# Altium PCB spd150.PcbDoc (part 11 of 16) (continued)
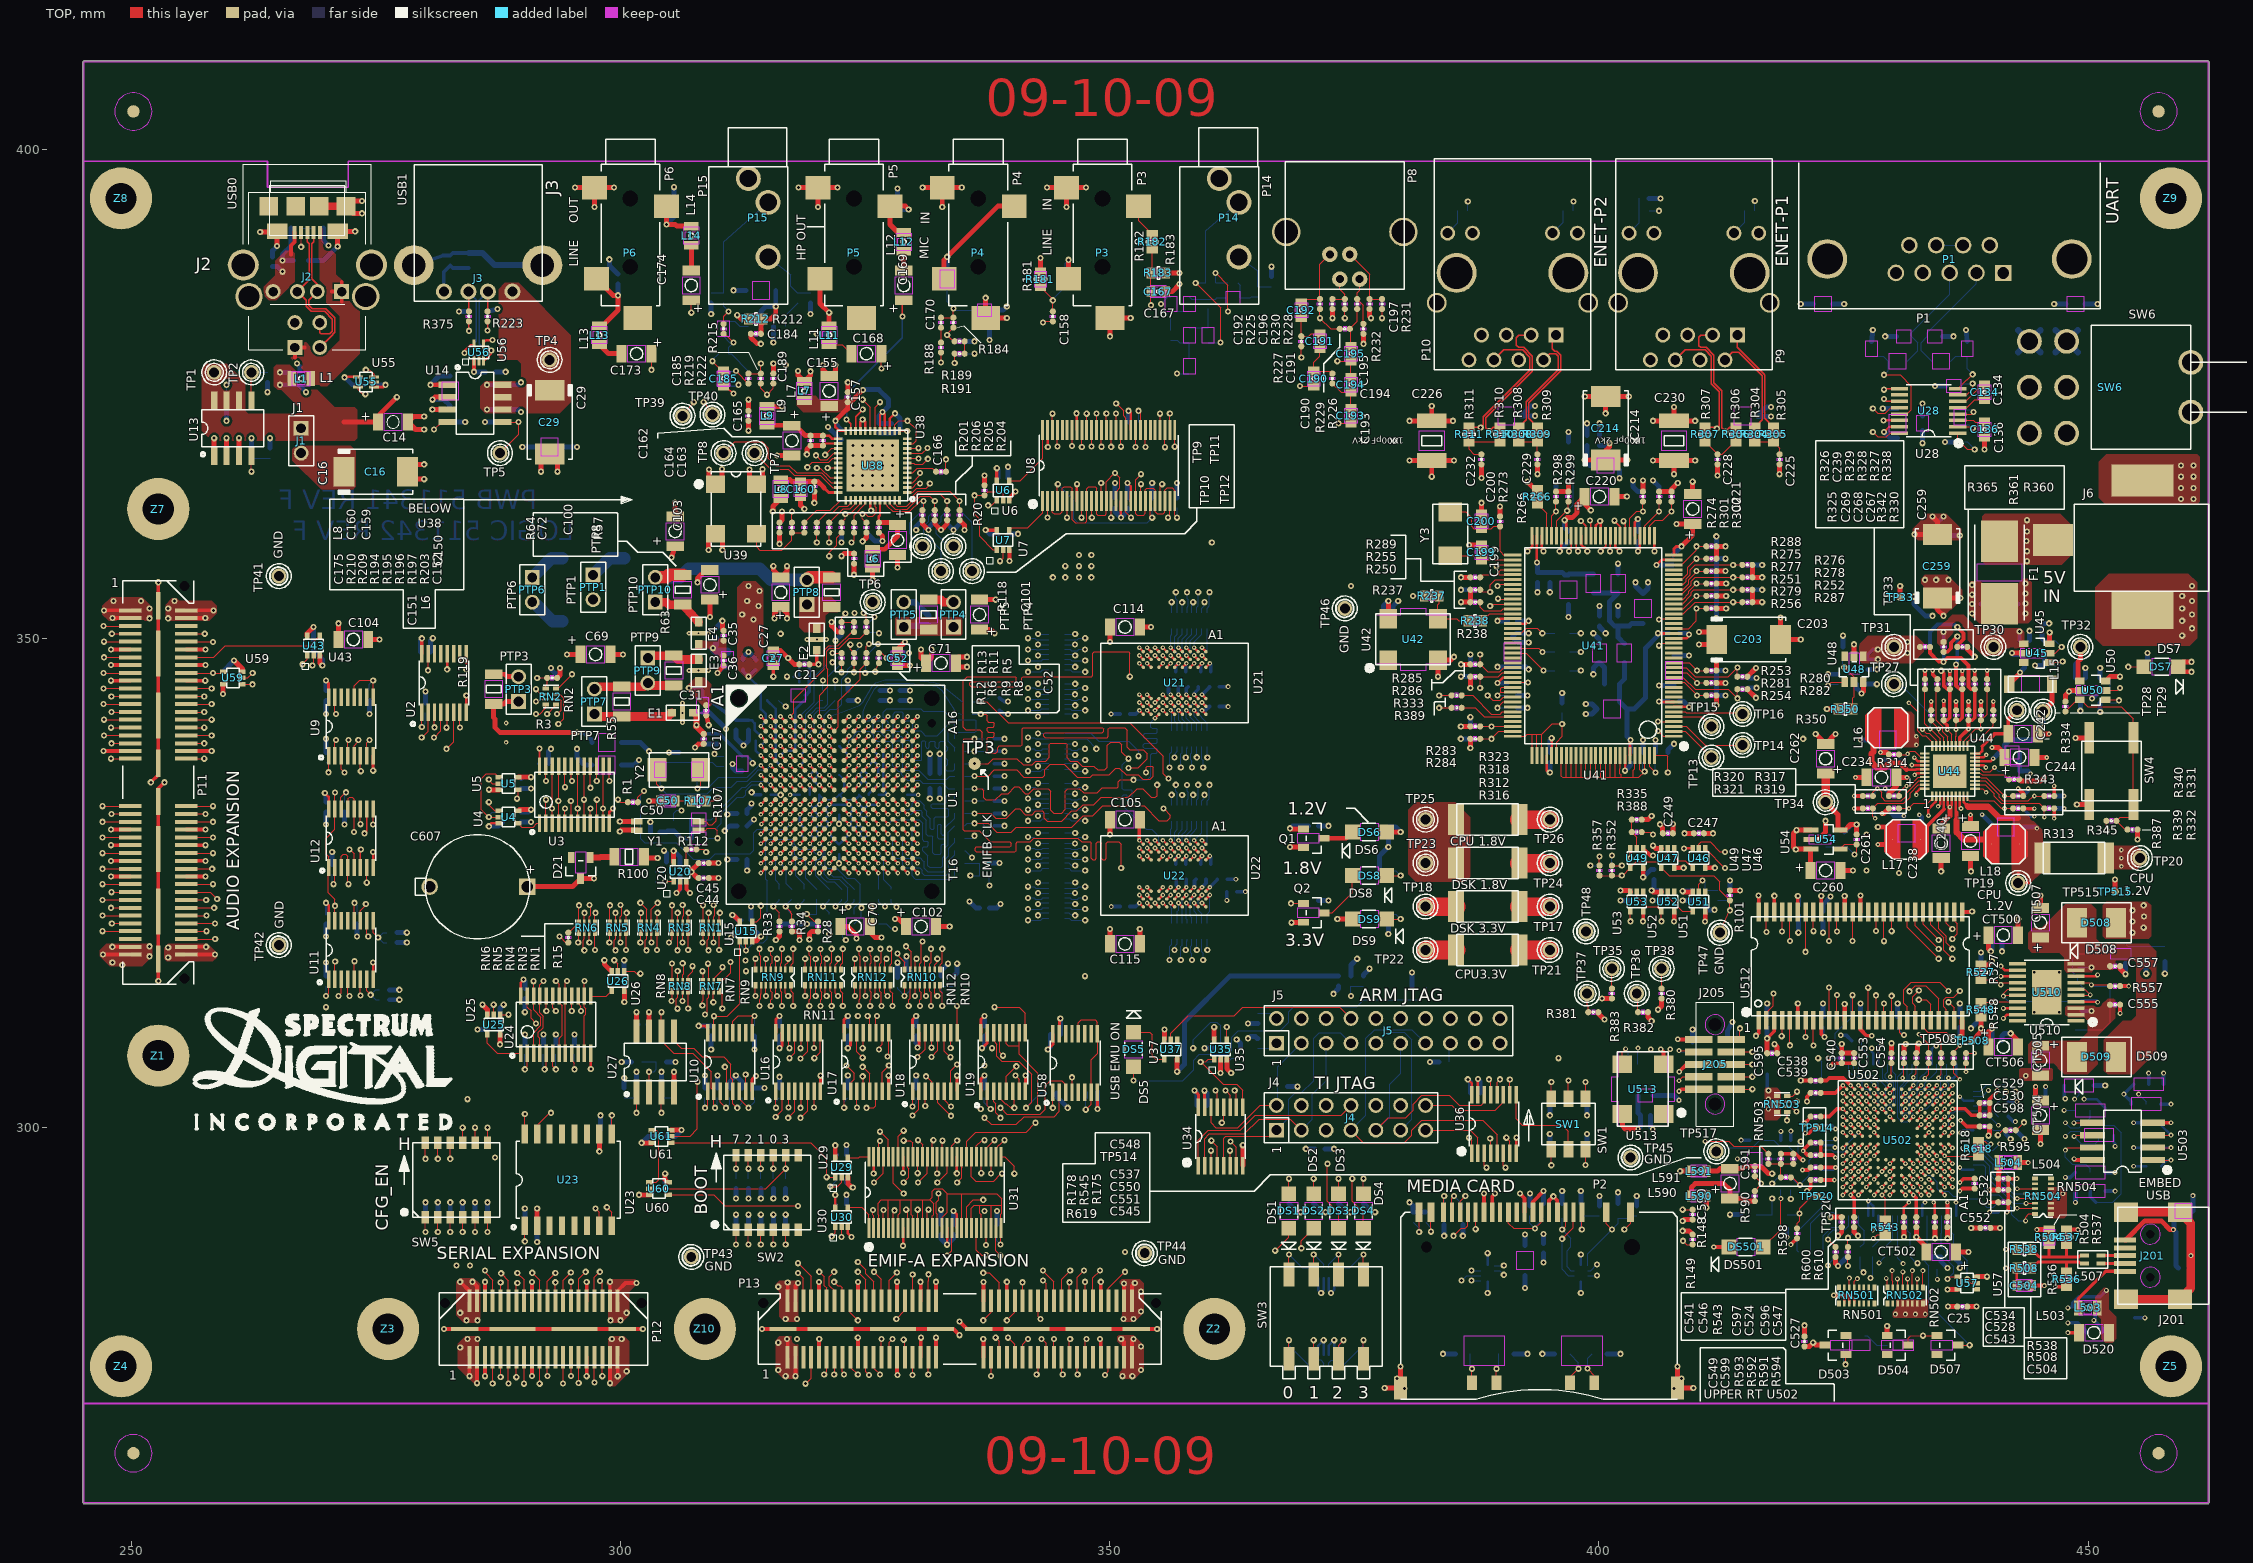
[diagram p0: TOP view]
## Nets (pads, with @x,y where several pads share a name; then routed paths per layer and width w, separated by ;. In a path a pad name is that pad's centre, name@x,y a point inside that pad or via, vN(x,y) a via of type N, cw(c..) or ccw(c..) an arc to the next point about the centre after c; other vN are vias at no path point) (continued)
  LYR3-SIG w0.102: v2(326.332,329.006) 326.939,328.399 326.939,325.501
  LYR3-SIG w0.127: v1(323.936,317.246) 323.936,317.965 323.85,318.051 323.85,318.473 324.198,318.821 324.358,318.821 324.612,319.075 324.612,319.786 326.39,321.564 326.39,323.088 326.939,323.637 326.939,325.501
N18849304: RN10.9 U1.M15 | length 17.2
  TOP w0.127: RN10.9@332.654,316.154 332.654,316.647 332.867,316.86 v1(332.867,318.262)
  TOP w0.254: U1.M15@328.833,330.507 v2(329.334,330.007)
  LYR3-SIG w0.102: v2(329.334,330.007) 329.377,330.007 329.946,329.438 330.835,329.438
  LYR3-SIG w0.127: 330.835,329.438 331.089,329.438 331.851,328.676 331.851,326.263 333.378,324.736 333.378,323.472 332.867,322.961 v1(332.867,318.262)
N18849306: RN10.10 U1.N13 | length 16.9
  TOP w0.127: RN10.10@332.08,316.154 332.08,316.611 332.359,316.89 v1(332.359,317.246)
  TOP w0.254: U1.N13@326.832,329.507 v2(327.332,329.006)
  LYR3-SIG w0.102: v2(327.332,329.006) 327.332,329.004 327.787,328.549 328.676,328.549 328.803,328.422 328.803,327.914 329.184,327.533 329.438,327.533 329.819,327.152 329.819,325.501
  LYR3-SIG w0.127: 329.819,325.501 329.565,325.247 329.565,319.575 331.386,317.754 331.851,317.754 v1(332.359,317.246)
N18849308: RN10.11 U1.N15 | length 16.3
  TOP w0.127: RN10.11@331.582,316.154 331.582,316.738 331.749,316.906 331.749,318.237 v1(331.724,318.262)
  TOP w0.254: U1.N15@328.833,329.507 v2(329.334,329.006)
  LYR3-SIG w0.102: v2(329.334,329.006) 329.362,329.006 329.819,328.549 330.835,328.549
  LYR3-SIG w0.127: 330.835,328.549 331.089,328.549 331.343,328.295 331.343,325.755 330.2,324.612 330.2,321.056 331.724,319.532 v1(331.724,318.262)
N18849310: RN10.12 U1.P13 | length 14.6
  TOP w0.127: RN10.12@331.084,316.154 331.084,316.291 331.089,316.296 331.089,317.119 331.216,317.246 v1(331.241,317.246)
  TOP w0.254: U1.P13@326.832,328.506 v2(327.332,328.005)
  LYR3-SIG w0.102: v2(327.332,328.005) 327.332,327.988 327.787,327.533 328.422,327.533 328.803,327.152 328.803,325.882 329.184,325.501
  LYR3-SIG w0.127: 329.184,325.501 329.184,319.595 331.241,317.538 v1(331.241,317.246)
N18849312: RN10.13 U1.P15 | length 14.7
  TOP w0.127: RN10.13@330.586,316.154 330.586,316.738 330.733,316.885 330.733,318.922 v1(330.835,319.024)
  TOP w0.254: U1.P15@328.833,328.506 v2(329.334,328.005)
  LYR3-SIG w0.102: v2(329.334,328.005) 329.347,328.005 329.819,327.533 330.708,327.533 330.835,327.406
  LYR3-SIG w0.127: v1(330.835,319.024) 330.835,319.786 329.946,320.675 329.946,324.866 330.962,325.882 330.962,327.279 330.835,327.406
N18849314: RN10.14 U1.R13 | length 12.8
  TOP w0.127: RN10.14@330.088,316.154 330.088,317.134 330.2,317.246 v1(330.225,317.246)
  TOP w0.254: U1.R13@326.832,327.505 v2(327.332,327.005)
  LYR3-SIG w0.102: v2(327.332,327.005) 327.914,326.423 327.914,325.857 328.27,325.501
  LYR3-SIG w0.127: 328.27,325.501 328.803,324.968 328.803,319.608 330.225,318.186 v1(330.225,317.246)
N18849316: RN10.15 U1.R15 | length 12.3
  TOP w0.127: v1(329.159,318.516) 329.717,317.957 329.717,316.281 RN10.15@329.59,316.154
  TOP w0.254: U1.R15@328.833,327.505 v2(329.334,327.005)
  LYR8-SIG w0.102: v2(329.334,327.005) 329.334,327.002 329.819,326.517 329.819,325.501
  LYR8-SIG w0.127: v1(329.159,318.516) 329.159,324.714 329.819,325.374 329.819,325.501
N18849318: RN10.16 U1.T13 | length 11.3
  TOP w0.127: v1(328.295,317.779) 328.295,317.627 329.016,316.906 RN10.16@329.016,316.154
  TOP w0.254: U1.T13@326.832,326.504 v2(327.332,326.004)
  LYR3-SIG w0.102: 327.332,325.501 v2(327.332,326.004)
  LYR3-SIG w0.127: 327.332,325.501 327.332,323.088 327.533,322.887 327.533,318.93 328.295,318.168 v1(328.295,317.779)
N18895421: P3.2 R180.1 | length 3.3
  TOP w0.508: P3.2@345.77,386.753 v1(345.77,388.696)
  BOTTOM w0.127: R180.1@345.44,387.477 345.44,388.366 v1(345.77,388.696)
N18908881: R292.1 U41.102 U41.103 U41.104 U41.105 U41.108 | length 16.7
  TOP w0.127: U41.102@391.185,339.992 392.468,339.992 392.661,340.185 393.141,340.185 ; U41.103@393.159,338.023 393.159,340.167 393.141,340.185 ; U41.104@393.659,338.023 393.659,340.169 393.675,340.185 ; U41.105@394.16,338.023 394.16,340.185 ; U41.108@395.661,338.023 395.661,339.4 396.24,339.979 v1(396.24,341.249) 395.224,341.249 394.16,340.185 ; 393.141,340.185 393.675,340.185 ; 393.675,340.185 394.16,340.185
  BOTTOM w0.127: v1(396.24,341.249) R292.1@396.24,342.392
N18910209: R293.1 U41.109 U41.110 U41.111 U41.112 U41.113 U41.114 U41.115 U41.116 U41.117 U41.118 U41.119 U41.120 U41.121 U41.124 U41.125 U41.126 | length 44.9
  TOP w0.127: U41.109@396.161,338.023 396.161,335.915 396.288,335.788 396.672,335.788 ; U41.110@396.662,338.023 396.662,335.798 396.672,335.788 ; U41.111@397.162,338.023 397.162,335.796 397.154,335.788 ; U41.112@397.662,338.023 397.662,335.788 ; U41.113@398.163,338.023 398.163,335.831 398.12,335.788 ; U41.114@398.663,338.023 398.663,335.803 398.678,335.788 ; U41.115@399.164,338.023 399.164,335.811 399.186,335.788 ; U41.116@399.666,338.023 399.666,335.791 399.669,335.788 ; U41.117@400.167,338.023 400.167,335.803 400.152,335.788 ; U41.118@400.667,338.023 400.667,335.821 400.634,335.788 ; U41.119@401.168,338.023 401.168,335.813 401.142,335.788 ; U41.120@401.668,338.023 401.668,335.806 401.65,335.788 ; U41.121@402.168,338.023 402.168,336.713 402.133,336.677 402.133,336.169 402.26,336.042 402.26,335.788 ; U41.124@403.669,338.023 403.669,336.69 403.479,336.499 403.479,335.788 ; U41.125@404.17,338.023 404.17,336.55 404.345,336.375 v1(404.67,336.375) ; U41.126@404.67,338.023 v1(404.67,336.375) ; 396.672,335.788 397.154,335.788 ; 397.154,335.788 397.662,335.788 ; 397.662,335.788 398.12,335.788 ; 398.12,335.788 398.678,335.788 ; 398.678,335.788 399.186,335.788 ; 399.186,335.788 399.669,335.788 ; 399.669,335.788 400.152,335.788 ; 400.152,335.788 400.634,335.788 ; 400.634,335.788 401.142,335.788 ; 401.142,335.788 401.65,335.788 ; 401.65,335.788 402.26,335.788 ; 402.26,335.788 403.479,335.788 ; 403.479,335.788 404.084,335.788 v1(404.67,336.375)
  BOTTOM w0.127: R293.1@404.495,337.312 404.495,336.55 v1(404.67,336.375)
N18912394: R303.1 U41.128 | length 4
  TOP w0.127: U41.128@405.671,338.023 406.908,338.023 407.035,337.896 v1(407.035,336.296)
  BOTTOM w0.127: v1(407.035,336.296) R303.1@407.035,337.312
N18912398: R302.1 U41.127 | length 3
  TOP w0.127: U41.127@405.171,338.023 405.171,336.89 v1(405.765,336.296)
  BOTTOM w0.127: v1(405.765,336.296) R302.1@405.765,337.312
N18913440: R295.2 R299.1 U41.59 | length 10.5
  TOP w0.127: U41.59@395.661,360.477 395.661,362.006 396.697,363.042 v1(396.748,363.042) 396.875,363.169 R299.1@396.875,363.982
  BOTTOM w0.127: v1(396.748,363.042) 397.383,363.677 397.383,367.157 396.875,367.665 R295.2@396.875,369.062
N18913444: R294.2 R298.1 U41.60 | length 4.7
  TOP w0.127: U41.60@395.16,360.477 395.16,362.522 v1(395.605,362.966) R298.1@395.605,363.982
  BOTTOM w0.127: v1(395.605,362.966) R294.2@395.605,363.982
N18918089: R291.1 U41.92 U41.93 | length 4.4
  TOP w0.127: v1(389.636,344.17) 389.961,344.495 ; U41.93@391.185,344.495 389.961,344.495 ; U41.92@391.185,344.995 390.055,344.995 389.941,344.881 389.941,344.515 389.961,344.495
  BOTTOM w0.127: v1(389.636,344.17) R291.1@390.652,344.17
N18920477: R289.2 U41.68 U41.69 | length 5.2
  TOP w0.127: R289.2@387.858,356.235 388.13,356.507 389.788,356.507 ; U41.69@391.185,356.507 389.788,356.507 ; U41.68@391.185,357.007 389.976,357.007 389.788,356.819 389.788,356.507
N18923793: R267.2 R283.1 U41.100 | length 4.5
  TOP w0.127: R283.1@387.858,340.995 387.861,340.992 v1(389.001,340.992) U41.100@391.185,340.992
  BOTTOM w0.127: R267.2@387.858,340.995 388.998,340.995 v1(389.001,340.992)
N18923795: R268.2 R284.1 U41.101 | length 4.8
  TOP w0.127: R284.1@387.858,339.725 v1(389.001,339.725) 389.768,340.492 U41.101@391.185,340.492
  BOTTOM w0.127: R268.2@387.858,339.725 v1(389.001,339.725)
N18925872: R269.2 R285.1 U41.88 | length 5.8
  TOP w0.127: v1(387.858,348.361) R285.1@387.858,347.345 388.62,346.583 389.847,346.583 390.261,346.997 U41.88@391.185,346.997
  BOTTOM w0.127: R269.2@387.858,347.345 v1(387.858,348.361)
N18925946: R270.2 R286.1 U41.89 | length 5.8
  TOP w0.127: v1(387.858,344.932) R286.1@387.858,346.075 389.7,346.075 390.121,346.497 U41.89@391.185,346.497
  BOTTOM w0.127: v1(387.858,344.932) R270.2@387.858,346.075
N18927809: R271.2 R287.1 U41.26 | length 8.4
  TOP w0.127: U41.26@407.645,352.504 408.638,352.504 409.829,353.695 v1(413.715,353.695) R287.1@414.655,353.695
  BOTTOM w0.127: v1(413.715,353.695) R271.2@414.655,353.695
N18927948: R272.2 R288.1 U41.36 | length 5.4
  TOP w0.127: U41.36@407.645,357.508 408.435,357.508 409.956,359.029 v1(409.956,359.41) R288.1@410.972,359.41
  BOTTOM w0.127: v1(409.956,359.41) R272.2@410.972,359.41
N18933124: R266.2 U41.61 | length 3.6
  TOP w0.127: R266.2@393.7,363.728 394.66,362.768 U41.61@394.66,360.477
N18937244: R257.2 R274.1 U41.44 | length 5.4
  TOP w0.127: U41.44@403.169,360.477 403.169,362.275 403.86,362.966 v1(404.495,362.966) R274.1@404.495,363.982
  BOTTOM w0.127: v1(404.495,362.966) R257.2@404.495,363.982
N18940982: R296.2 R300.1 U41.40 | length 5.9
  TOP w0.127: U41.40@405.171,360.477 405.171,361.483 405.765,362.077 406.527,362.077 v1(407.416,362.966) R300.1@407.416,363.982
  BOTTOM w0.127: v1(407.416,362.966) R296.2@407.416,363.982
N18941608: R297.2 R301.1 U41.41 | length 5.1
  TOP w0.127: U41.41@404.67,360.477 404.67,361.49 v1(406.146,362.966) R301.1@406.146,363.982
  BOTTOM w0.127: v1(406.146,362.966) R297.2@406.146,363.982
N18954320: R39.2 U1.P4 | length 5
  TOP w0.254: v2(317.325,328.005) U1.P4@317.825,328.506
  BOTTOM w0.102: v2(317.325,328.005) 317.881,327.449 317.881,325.755
  BOTTOM w0.127: 317.881,325.755 318.77,324.866 R39.2@318.77,324.358
N18975929: R248.2 R255.1 U41.70 | length 5.5
  TOP w0.127: R255.1@387.858,354.965 388.087,354.736 v1(388.874,354.736) 388.874,355.473 389.407,356.006 U41.70@391.185,356.006
  BOTTOM w0.127: R248.2@387.858,354.965 388.087,354.736 v1(388.874,354.736)
N18975931: R249.2 R256.1 U41.23 | length 5.9
  TOP w0.127: U41.23@407.645,351.003 409.169,351.003 409.956,351.79 v1(409.956,353.06) R256.1@410.972,353.06
  BOTTOM w0.127: v1(409.956,353.06) R249.2@410.972,353.06
N18989316: C228.1 R306.1 R307.1 | length 4.2
  TOP w0.127: R307.1@410.845,370.078 C228.1@412.115,368.808 412.623,368.808 413.893,370.078 R306.1@414.02,370.078
N18989337: C225.1 R304.2 R305.2 | length 3.4
  TOP w0.127: R304.2@415.925,370.078 R305.2@417.83,370.078 418.465,369.443 C225.1@418.465,368.808
N18990172: C232.1 R310.1 R311.1 | length 5.4
  TOP w0.127: C232.1@387.985,368.808 387.223,368.808 386.715,369.316 R311.1@386.715,370.078 R310.1@389.89,370.078
N18990191: C229.1 R308.2 R309.2 | length 3.2
  TOP w0.127: R308.2@391.795,370.078 R309.2@393.7,370.078 C229.1@393.7,368.808
N19012580: L10.1 P4.2 P4.3 | length 12.7
  TOP w0.508: P4.2@333.07,386.753 333.07,388.696 v1(333.375,389.001) 338.544,394.17 P4.3@340.233,394.17
  BOTTOM w0.508: L10.1@333.375,387.68 v1(333.375,389.001)
N19013700: P3.3 R182.1 | length 3.5
  TOP w0.127: P3.3@352.933,394.17 352.933,392.684 R182.1@354.33,391.287
N19013812: R240.2 U41.4 | length 63.6
  TOP w0.127: v1(406.029,341.493) U41.4@407.645,341.493
  LYR8-SIG w0.127: v1(397.383,394.64) 396.164,394.64 393.827,392.303 393.827,385.191 402.399,376.618 402.399,367.347 402.844,366.903 402.844,365.633 403.454,365.023 403.454,361.467 404.495,360.426 404.495,352.806 406.781,350.52 406.781,342.245 v1(406.029,341.493)
  BOTTOM w0.127: R240.2@397.383,393.7 v1(397.383,394.64)
N19013827: TP15.1 U41.5 | length 4.2
  TOP w0.127: U41.5@407.645,341.993 410.482,341.993 TP15.1@411.48,340.995
N19013829: R239.2 U41.20 | length 56
  TOP w0.127: v1(406.146,349.25) 406.397,349.501 U41.20@407.645,349.501
  LYR8-SIG w0.127: v1(386.588,394.64) 389.001,392.227 389.001,389.382 401.574,376.809 401.574,363.855 403.2,362.229 403.2,353.085 405.511,350.774 405.511,349.885 v1(406.146,349.25)
  BOTTOM w0.127: R239.2@386.588,393.7 v1(386.588,394.64)
N19013843: R235.2 U41.1 | length 64.3
  TOP w0.127: v1(406.019,340.538) 406.565,339.992 U41.1@407.645,339.992
  LYR8-SIG w0.127: v1(406.019,340.538) 407.289,341.808 407.289,361.569 406.654,362.204 406.654,368.3 404.241,370.713 404.241,381.762 409.194,386.715 409.194,389.001 414.909,394.716 v1(415.925,394.716)
  BOTTOM w0.127: R235.2@415.925,393.7 v1(415.925,394.716)
N19020479: R234.2 U41.25 | length 47.7
  TOP w0.127: v1(406.121,351.917) 406.146,351.917 406.232,352.003 U41.25@407.645,352.003
  LYR8-SIG w0.127: v1(406.121,351.917) 406.527,352.323 406.527,360.553 405.003,362.077 405.003,368.935 403.86,370.078 403.86,382.397 407.543,386.08 407.543,392.303 v1(406.146,393.7)
  BOTTOM w0.127: R234.2@405.13,393.7 v1(406.146,393.7)
N19211648: C261.2 R372.2 R373.1 U54.4 | length 6.2
  TOP w0.127: U54.4@424.663,328.488 425.105,328.93 C261.2@426.339,328.93 426.339,328.143 v1(426.11,327.914)
  BOTTOM w0.127: R373.1@423.164,328.676 R372.2@425.069,328.676 425.348,328.676 v1(426.11,327.914)
N19340295: U3.13 U5.4 | length 13.2
  TOP w0.127: v1(289.408,333.604) 289.535,333.731 U5.4@289.535,334.503 ; v1(298.851,335.407) U3.13@298.851,336.931
  LYR3-SIG w0.127: v1(289.408,333.604) 291.567,333.604 294.005,336.042 298.216,336.042 v1(298.851,335.407)
N19355604: C170.1 C171.1 L10.2 R184.1 R187.1 | length 9
  TOP w0.127: C170.1@332.74,382.778 R184.1@334.01,382.778 v1(334.01,383.718)
  BOTTOM w0.127: L10.2@333.375,385.75 333.375,384.429 334.01,383.794 v1(334.01,383.718) 334.188,383.54 C171.1@336.423,383.54 336.423,382.524 336.677,382.27 R187.1@336.677,381.635
N19372959: U24.13 U26.4 | length 2.3
  TOP w0.127: U24.13@296.946,313.436 298.536,313.436 U26.4@299.07,313.969
N19686959: R80.1 U1.R7 | length 7.9
  TOP w0.254: v2(320.327,327.005) U1.R7@320.827,327.505
  BOTTOM w0.102: v2(320.327,327.005) 320.802,326.53 320.802,325.882 321.183,325.501
  BOTTOM w0.127: 321.183,325.501 321.31,325.374 322.326,325.374 323.215,324.485 323.215,323.24 322.58,322.605 R80.1@322.58,321.818
N19689562: R79.1 U1.T12 | length 2.4
  TOP w0.254: U1.T12@325.831,326.504 v2(326.332,326.004)
  BOTTOM w0.102: v2(326.332,326.004) 326.39,325.945 326.39,325.501
  BOTTOM w0.127: R79.1@326.39,324.358 326.39,325.501
N19692173: R78.1 U1.R12 | length 7.1
  TOP w0.254: U1.R12@325.831,327.505 v2(326.332,327.005)
  LYR3-SIG w0.102: v2(326.332,327.005) 326.339,327.005 326.725,326.619 326.725,325.709 326.517,325.501
  LYR3-SIG w0.127: v1(325.628,322.453) 325.628,322.961 326.517,323.85 326.517,325.501
  BOTTOM w0.127: v1(325.628,322.453) 325.628,322.199 326.009,321.818 R78.1@326.39,321.818
N19694792: R77.1 U1.N7 | length 10.8
  TOP w0.254: v2(320.327,329.006) U1.N7@320.827,329.507
  BOTTOM w0.102: v2(320.327,329.006) 320.929,328.404 320.929,326.771 321.183,326.517 322.072,326.517 323.088,325.501 323.85,325.501
  BOTTOM w0.127: R77.1@323.85,321.818 323.85,322.453 324.485,323.088 324.485,324.866 323.85,325.501
N19697419: R76.1 U1.L16 | length 12.2
  TOP w0.254: U1.L16@329.834,331.508 v2(330.335,331.008)
  BOTTOM w0.102: v2(330.335,331.008) 329.819,330.492 329.819,327.838 330.098,327.558 330.606,327.558 330.835,327.33
  BOTTOM w0.127: 330.835,327.33 331.013,327.152 331.013,326.517 331.368,326.161 332.994,326.161 333.197,326.365 333.197,327.431 333.527,327.762 333.527,328.524 334.137,329.133 R76.1@334.137,329.565
N19700054: R75.1 U1.T7 | length 3.7
  TOP w0.254: v2(320.327,326.004) U1.T7@320.827,326.504
  BOTTOM w0.102: v2(320.327,326.004) 320.327,325.849 320.675,325.501
  BOTTOM w0.127: 320.675,325.501 321.056,325.12 321.818,325.12 R75.1@322.58,324.358
N19707445: R72.2 R73.2 R74.1 U15.2 | length 6.3
  TOP w0.127: v1(312.801,318.084) U15.2@312.801,319.049
  BOTTOM w0.127: R73.2@312.166,318.897 312.166,318.719 v1(312.801,318.084) 313.436,318.719 R74.1@313.436,318.897 314.579,318.897 314.96,319.278 R72.2@314.96,320.802
N19761833: TP40.1 U38.28 | length 18
  TOP w0.127: v1(308.483,374.142) 309.372,372.999 TP40.1@309.372,372.872 ; v1(319.964,368.706) 320.421,368.249 321.132,368.249 321.798,368.915 U38.28@322.224,368.915
  LYR8-SIG w0.127: v1(308.483,374.142) 312.039,374.142 316.611,369.57 319.1,369.57 v1(319.964,368.706)
N19781344: P8.1 R228.2 R232.1 | length 4.9
  TOP w0.127: P8.1@375.539,386.715 375.539,385.572 375.285,385.318 R228.2@375.285,384.683 375.92,384.048 R232.1@375.92,382.143
N19781350: C192.2 P8.4 R225.2 | length 7.1
  TOP w0.127: C192.2@369.57,384.302 369.951,384.683 R225.2@371.475,384.683 371.475,388.239 P8.4@372.491,389.255
N19781354: C196.1 P8.3 R230.2 | length 3.5
  TOP w0.127: C196.1@372.745,384.683 R230.2@374.015,384.683 374.015,385.191 373.507,385.699 P8.3@373.507,386.715
N19781358: C197.1 P8.2 R231.2 | length 6.7
  TOP w0.127: P8.2@374.523,389.255 376.555,387.223 C197.1@376.555,384.683 R231.2@377.825,384.683
N19781378: C190.2 C191.1 R226.1 | length 4.6
  TOP w0.127: C191.1@371.475,379.603 371.475,378.841 370.84,378.206 C190.2@370.84,377.317 372.491,377.317 R226.1@372.745,377.063
N19781382: C193.2 C194.1 R226.2 | length 3.9
  TOP w0.127: R226.2@372.745,376.047 373.634,375.158 C194.1@374.65,375.158 C193.2@374.65,373.507
N19781386: C194.2 C195.1 R227.2 | length 8
  TOP w0.127: v1(369.57,378.714) R227.2@369.57,379.857 ; v1(373.253,378.333) C195.1@374.65,378.333 C194.2@374.65,376.682
  LYR3-SIG w0.127: v1(369.57,378.714) 372.872,378.714 v1(373.253,378.333)
N19781398: C191.2 C192.1 R227.1 | length 3.9
  TOP w0.127: C192.1@369.57,382.778 R227.1@369.57,380.873 370.332,380.873 370.586,381.127 C191.2@371.475,381.127
N19781428: C195.2 R228.1 R229.2 | length 4.2
  TOP w0.127: C195.2@374.65,379.857 374.65,381.508 R229.2@374.523,381.635 375.285,382.397 R228.1@375.285,383.667
N19815923: C49.1 R106.1 U1.F1 Y2.1 | length 11.3
  TOP w0.127: v1(307.848,334.645) 308.178,334.975 Y2.1@308.178,336.55
  TOP w0.254: v2(314.322,337.012) U1.F1@314.823,336.512
  BOTTOM w0.102: 313.69,336.55 314.152,337.012 v2(314.322,337.012)
  BOTTOM w0.127: C49.1@307.848,335.788 v1(307.848,334.645) 308.864,334.645 310.007,335.788 R106.1@310.515,335.788 312.928,335.788 313.69,336.55
N19816047: C48.1 R106.2 U1.F2 Y2.2 | length 16.6
  TOP w0.127: Y2.2@303.708,336.55 303.708,335.102 v1(304.165,334.645)
  TOP w0.254: v2(315.323,337.012) U1.F2@315.824,336.512
  BOTTOM w0.102: 313.69,336.169 314.071,336.55 314.861,336.55 v2(315.323,337.012)
  BOTTOM w0.127: C48.1@304.038,335.788 304.038,334.772 v1(304.165,334.645) 304.673,334.137 308.864,334.137 309.499,334.772 R106.2@310.515,334.772 311.277,334.772 311.912,335.407 312.928,335.407 313.69,336.169
N19816061: R108.1 U1.E2 | length 7.9
  TOP w0.254: v2(315.323,338.013) U1.E2@315.824,337.513
  LYR3-SIG w0.102: 313.944,338.582 314.754,338.582 v2(315.323,338.013)
  LYR3-SIG w0.127: v1(309.575,338.201) 310.134,338.201 310.464,338.531 312.758,338.531 312.809,338.582 313.944,338.582
  BOTTOM w0.127: v1(309.575,338.201) 309.829,337.947 R108.1@310.515,337.947
N19869868: C258.1 R363.1 U51.2 | length 3.7
  TOP w0.127: U51.2@410.21,324.079 410.21,324.866 v1(410.591,325.247)
  BOTTOM w0.127: v1(410.591,325.247) 410.845,324.993 C258.1@410.845,324.231 R363.1@412.115,324.231
N19875006: U51.4 U52.2 | length 3.6
  TOP w0.127: U52.2@407.035,324.079 407.035,323.596 408.534,322.097 U51.4@409.56,322.097
N19925423: U6.4 U8.56 | length 7.2
  TOP w0.127: U6.4@339.74,366.116 340.843,366.116 343.136,368.409 U8.56@343.136,371.297
N19966679: U29.4 U31.56 | length 2.2
  TOP w0.127: U29.4@323.23,296.901 324.333,296.901 324.434,297.002 U31.56@325.356,297.002
N19997012: R153.1 U31.3 U31.5 U31.7 U31.10 U31.12 U31.14 U31.16 U31.20 U31.22 U31.24 U31.26 U31.28 | length 54.5
  TOP w0.127: U31.3@326.357,289.738 326.357,291.033 326.306,291.084 326.306,292.27 326.644,292.608 327.355,292.608 ; U31.5@327.355,289.738 327.355,291.33 327.365,291.341 327.365,291.762 327.355,291.772 327.355,292.608 ; U31.7@328.356,289.738 328.356,291.084 328.549,291.277 328.549,292.608 ; U31.10@329.855,289.738 329.855,290.957 329.71,291.102 329.71,292.605 329.707,292.608 ; U31.12@330.855,289.738 330.855,291.084 330.896,291.125 330.896,292.605 330.899,292.608 ; U31.14@331.856,289.738 331.856,290.962 331.978,291.084 331.978,292.227 331.597,292.608 ; U31.16@332.854,289.738 332.854,290.817 333.375,291.338 333.375,293.243 ; U31.20@334.853,289.738 334.853,293.24 334.856,293.243 ; U31.22@335.854,289.738 335.854,291.767 336.159,292.072 336.677,292.072 ; U31.24@336.855,289.738 336.855,291.076 336.677,291.254 336.677,292.072 ; U31.26@337.853,289.738 337.853,292.072 ; v1(338.836,288.036) 338.854,288.054 U31.28@338.854,289.738 338.836,289.756 338.836,291.127 338.963,291.254 338.963,292.07 ; 327.355,292.608 328.549,292.608 ; 328.549,292.608 329.707,292.608 ; 329.707,292.608 330.899,292.608 ; 330.899,292.608 331.597,292.608 ; 331.597,292.608 331.851,292.862 331.851,293.497 332.105,293.751 332.867,293.751 333.375,293.243 ; 333.375,293.243 334.856,293.243 ; 334.856,293.243 338.455,293.243 338.963,292.735 338.963,292.07 ; 336.677,292.072 337.853,292.072 ; 337.853,292.072 338.96,292.072 338.963,292.07
  BOTTOM w0.127: R153.1@338.455,289.052 338.455,288.417 v1(338.836,288.036)
N20014734: R23.1 U8.3 U8.5 U8.7 U8.10 U8.12 U8.14 U8.16 U8.20 U8.22 U8.24 U8.26 U8.28 | length 49.2
  TOP w0.127: U8.3@344.137,364.033 344.137,362.872 344.297,362.712 344.932,362.712 345.135,362.915 U8.5@345.135,364.033 345.135,365.328 345.313,365.506 345.948,365.506 346.136,365.318 U8.7@346.136,364.033 346.136,362.143 346.456,361.823 347.472,361.823 347.635,361.986 U8.10@347.635,364.033 347.635,365.288 347.853,365.506 348.488,365.506 348.635,365.359 U8.12@348.635,364.033 348.635,362.692 348.742,362.585 349.504,362.585 349.636,362.717 U8.14@349.636,364.033 349.636,366.019 v1(350.52,366.903) 351.028,366.395 351.028,365.379 350.634,364.985 U8.16@350.634,364.033 ; v1(353.187,366.776) 352.633,366.222 U8.20@352.633,364.033 352.633,362.758 352.806,362.585 353.441,362.585 353.634,362.778 U8.22@353.634,364.033 353.634,365.194 353.771,365.331 354.429,365.331 354.635,365.125 U8.24@354.635,364.033 354.635,362.915 354.838,362.712 355.473,362.712 355.633,362.872 U8.26@355.633,364.033 355.633,365.125 355.887,365.379 356.362,365.379 356.634,365.107 U8.28@356.634,364.033 356.634,362.567 v1(356.87,362.331)
  LYR7-SIG w0.127: v1(350.52,366.903) 353.06,366.903 v1(353.187,366.776)
  BOTTOM w0.127: v1(356.87,362.331) R23.1@356.87,363.347
N20113681: R221.1 U40.8 | length 2.9
  BOTTOM w0.127: U40.8@316.865,381.889 316.865,383.032 R221.1@318.135,384.302
N20116175: C183.1 C184.2 R212.1 U40.6 | length 8.8
  TOP w0.508: C184.2@314.325,381.127 314.325,382.016 314.579,382.27 R212.1@314.579,382.651 315.341,382.651 315.849,383.159 v1(315.849,383.921)
  BOTTOM w0.508: U40.6@314.325,381.889 314.325,383.413 314.833,383.921 v1(315.849,383.921) C183.1@315.849,385.572
N20121032: C173.1 U38.29 | length 25.2
  TOP w0.127: v1(303.149,377.444) C173.1@303.149,379.095 ; v1(319.075,367.487) 319.583,367.995 321.246,367.995 321.666,368.414 U38.29@322.224,368.414
  LYR8-SIG w0.127: v1(303.149,377.444) 310.325,370.268 315.15,370.268 317.932,367.487 v1(319.075,367.487)
N20124212: R199.2 R205.1 TP11.1 U38.47 | length 13.7
  TOP w0.127: U38.47@328.005,364.134 328.005,363.789 328.282,363.512 329.222,363.512 330.505,364.795 332.613,364.795 v1(333.375,364.033) R205.1@333.375,363.093
  BOTTOM w0.127: v1(333.375,364.033) R199.2@333.375,363.093 332.74,362.458 332.74,361.95 332.232,361.442 332.232,360.68 333.502,359.41 TP11.1@334.01,359.41
N20124340: R198.2 R204.1 TP12.1 U38.48 | length 15.6
  TOP w0.127: U38.48@328.503,364.134 329.463,364.134 330.378,365.049 333.629,365.049 v1(334.645,364.033) R204.1@334.645,363.093
  BOTTOM w0.127: v1(334.645,364.033) R198.2@334.645,363.093 335.915,361.823 TP12.1@335.915,356.87
N20126363: R219.2 R222.1 U40.3 | length 4.1
  TOP w0.127: R219.2@313.055,377.063 R222.1@314.325,377.063 v1(314.325,378.079)
  BOTTOM w0.127: U40.3@314.325,376.301 v1(314.325,378.079)
N20126390: C186.1 R219.1 | length 3.1
  TOP w0.127: v1(311.785,377.317) R219.1@313.055,376.047
  BOTTOM w0.127: C186.1@310.515,377.317 v1(311.785,377.317)
N20126598: C185.2 R218.1 | length 2.6
  TOP w0.127: v1(309.372,378.333) 310.388,377.317 C185.2@310.515,377.317
  BOTTOM w0.127: v1(309.372,378.333) 309.372,378.46 R218.1@310.007,379.095
N20126612: C179.2 R215.1 R218.2 U40.4 | length 7.8
  TOP w0.127: R215.1@310.515,381.127 310.642,381.127 v1(311.531,380.238)
  BOTTOM w0.127: C179.2@310.515,380.873 311.15,380.238 v1(311.531,380.238) 311.023,379.73 R218.2@311.023,379.095 311.277,379.095 313.055,377.317 U40.4@313.055,376.301
N20128045: R224.1 U40.1 | length 62.5
  LYR7-SIG w0.127: v1(259.715,375.92) 261.239,374.396 275.971,374.396 278.257,376.682 291.084,376.682 291.274,376.491 315.404,376.491 v1(316.865,377.952)
  BOTTOM w0.127: R224.1@259.715,374.523 v1(259.715,375.92) ; U40.1@316.865,376.301 v1(316.865,377.952)
N20129293: R121.2 SW2.1 | length 2.5
  TOP w0.127: v1(311.785,288.036) SW2.1@311.785,289.56
  BOTTOM w0.127: v1(311.785,288.036) R121.2@311.785,289.052
N20129295: R122.2 SW2.2 | length 2.5
  TOP w0.127: v1(313.055,288.036) SW2.2@313.055,289.56
  BOTTOM w0.127: v1(313.055,288.036) R122.2@313.055,289.052
N20129297: R123.2 SW2.3 | length 2.5
  TOP w0.127: v1(314.325,288.036) SW2.3@314.325,289.56
  BOTTOM w0.127: v1(314.325,288.036) R123.2@314.325,289.052
N20129307: R125.2 SW2.4 | length 2.5
  TOP w0.127: v1(315.595,288.036) SW2.4@315.595,289.56
  BOTTOM w0.127: v1(315.595,288.036) R125.2@315.595,289.052
N20129381: TP7.1 U38.35 | length 10
  TOP w0.127: TP7.1@313.69,368.935 315.341,367.284 317.119,367.284 317.754,366.649 320.421,366.649 321.655,365.415 U38.35@322.224,365.415
N20129448: TP8.1 U38.34 | length 14.5
  TOP w0.127: TP8.1@310.515,368.935 311.658,370.078 314.452,370.078 315.087,369.443 315.087,368.427 315.849,367.665 317.246,367.665 318.008,366.903 320.548,366.903 321.536,365.915 U38.34@322.224,365.915
N20132491: R203.2 R208.1 U38.43 | length 5.2
  TOP w0.127: R203.2@325.12,361.823 324.714,362.229 v1(324.714,362.712) 324.993,362.712 325.247,362.458 325.755,362.458 326.136,362.839 326.136,363.342 326.004,363.474 U38.43@326.004,364.134
  BOTTOM w0.127: v1(324.714,362.712) 324.714,362.229 R208.1@325.12,361.823
N20134713: R30.1 U1.C6 | length 5.9
  TOP w0.254: v2(319.326,340.015) U1.C6@319.827,339.514
  BOTTOM w0.102: v2(319.326,340.015) 319.326,340.408 319.786,340.868 319.786,342.265 320.04,342.519
  BOTTOM w0.127: 320.04,342.519 320.167,342.646 320.929,342.646 R30.1@321.945,343.662
N20135080: R31.1 U1.P3 | length 4.7
  TOP w0.254: v2(316.324,328.005) U1.P3@316.824,328.506
  BOTTOM w0.102: 315.849,325.76 315.849,327.53 v2(316.324,328.005)
  BOTTOM w0.127: 315.849,325.76 315.849,325.247 316.23,324.866 R31.1@316.23,324.358
N20135121: R32.1 U1.R3 | length 3.8
  TOP w0.254: v2(316.324,327.005) U1.R3@316.824,327.505
  BOTTOM w0.102: v2(316.324,327.005) 316.931,326.398 316.931,325.501
  BOTTOM w0.127: 316.931,325.501 316.931,324.927 R32.1@317.5,324.358
N20135248: R29.1 U1.D6 | length 6.5
  TOP w0.254: v2(319.326,339.014) U1.D6@319.827,338.513
  BOTTOM w0.102: 318.897,342.214 318.897,339.443 v2(319.326,339.014)
  BOTTOM w0.127: 318.897,342.214 320.345,343.662 R29.1@320.675,343.662
N20158138: R138.2 R141.1 U27.1 | length 4.9
  TOP w0.127: v1(301.625,301.498) U27.1@301.625,303.619
  BOTTOM w0.127: R141.1@300.355,303.022 R138.2@301.625,303.022 v1(301.625,301.498)
N20158142: R139.2 R142.1 U27.2 | length 5.2
  TOP w0.127: U27.2@302.895,303.619 v1(302.895,305.689)
  BOTTOM w0.127: R142.1@302.133,306.705 R139.2@303.657,306.705 303.657,305.943 303.403,305.689 v1(302.895,305.689)
N20158157: R140.2 R143.1 U27.3 | length 4.9
  TOP w0.127: v1(304.165,301.498) U27.3@304.165,303.619
  BOTTOM w0.127: v1(304.165,301.498) R140.2@304.165,303.022 R143.1@305.435,303.022
N20160371: R66.1 U1.N6 | length 7.2
  TOP w0.254: v2(319.326,329.006) U1.N6@319.827,329.507
  BOTTOM w0.102: v2(319.326,329.006) 319.933,328.399 320.492,328.399 320.721,328.171 320.721,327.84 320.279,327.398 320.162,327.398 319.913,327.149 319.913,325.755
  BOTTOM w0.127: 319.913,325.755 R66.1@321.31,324.358

## Text inside footprints (layer, text, board x,y; h text height)
C603: PIN_NUMBER "1" at 416.992,310.261 h0.51 r270; PIN_NUMBER "2" at 416.992,311.277 h0.51 r270; ASSEMBLY_BOTTOM "0.1uF" at 417.195,310.769 h0.64 r270; ASSEMBLY_BOTTOM "TOLERANCE" at 414.655,310.769 h0.64 r270; ASSEMBLY_BOTTOM "USERPART#" at 413.385,310.769 h0.64 r270; SYMBOL_PART_DIM "PAD 35X32 OV" at 412.42,307.645 h0.64 r270; SYMBOL_PART_DIM "C402-35X32" at 413.69,307.645 h0.64 r270; SYMBOL_PART_DIM "0" at 415.061,310.566 h0.64 r270; SYMBOL_PART_DIM "0" at 416.865,308.432 h0.64 r270
C604: PIN_NUMBER "1" at 422.707,322.072 h0.51 r90; PIN_NUMBER "2" at 422.707,321.056 h0.51 r90; ASSEMBLY_BOTTOM "0.1uF" at 422.91,321.564 h0.64 r90; ASSEMBLY_BOTTOM "TOLERANCE" at 425.45,321.564 h0.64 r90; ASSEMBLY_BOTTOM "USERPART#" at 426.72,321.564 h0.64 r90; SYMBOL_PART_DIM "PAD 35X32 OV" at 427.685,324.688 h0.64 r90; SYMBOL_PART_DIM "C402-35X32" at 426.415,324.688 h0.64 r90; SYMBOL_PART_DIM "0" at 425.044,321.767 h0.64 r90; SYMBOL_PART_DIM "0" at 423.24,323.901 h0.64 r90
C605: PIN_NUMBER "1" at 420.167,322.707 h0.51 r90; PIN_NUMBER "2" at 420.167,321.691 h0.51 r90; ASSEMBLY_BOTTOM "0.1uF" at 420.37,322.199 h0.64 r90; ASSEMBLY_BOTTOM "TOLERANCE" at 422.91,322.199 h0.64 r90; ASSEMBLY_BOTTOM "USERPART#" at 424.18,322.199 h0.64 r90; SYMBOL_PART_DIM "PAD 35X32 OV" at 425.145,325.323 h0.64 r90; SYMBOL_PART_DIM "C402-35X32" at 423.875,325.323 h0.64 r90; SYMBOL_PART_DIM "0" at 422.504,322.402 h0.64 r90; SYMBOL_PART_DIM "0" at 420.7,324.536 h0.64 r90
C606: PIN_NUMBER "1" at 404.038,301.244 h0.51 r180; PIN_NUMBER "2" at 405.054,301.244 h0.51 r180; ASSEMBLY_BOTTOM "0.1uF" at 404.749,301.244 h0.64 r180; ASSEMBLY_BOTTOM "TOLERANCE" at 404.749,303.784 h0.64 r180; ASSEMBLY_BOTTOM "USERPART#" at 404.749,305.054 h0.64 r180; SYMBOL_PART_DIM "PAD 35X32 OV" at 401.625,306.019 h0.64 r180; SYMBOL_PART_DIM "C402-35X32" at 401.625,304.749 h0.64 r180; SYMBOL_PART_DIM "0" at 404.546,303.378 h0.64 r180; SYMBOL_PART_DIM "0" at 402.412,301.574 h0.64 r180
C607: PIN_NUMBER "1" at 290.195,324.612 h0.64 r180; PIN_NUMBER "2" at 280.213,324.612 h0.64 r180; Top Overlay "+" at 291.338,326.771 h0.89 r180; ASSEMBLY_TOP "+" at 292.481,326.644 h1.27 r180; ASSEMBLY_TOP "X" at 287.401,328.422 h0.64 r180; ASSEMBLY_TOP "X" at 286.893,328.422 h0.64 r180
CT500: PIN_NUMBER "1" at 439.395,319.659 h1.02; PIN_NUMBER "2" at 442.443,319.659 h1.02; Top Overlay "+" at 438.15,319.151 h0.89; ASSEMBLY_TOP "33uF" at 440.436,319.278 h1.02; ASSEMBLY_TOP "X" at 441.325,319.278 h1.02; ASSEMBLY_TOP "X" at 442.341,319.278 h1.02; ASSEMBLY_TOP "+" at 438.404,320.548 h1.02; SYMB_DIM "PAD 40X70OV" at 439.649,313.944 h1.02; SYMB_DIM "SM  48X78" at 439.191,312.039 h1.02; SYMB_DIM "SP  40X70OV" at 439.649,310.134 h1.02; SYMB_DIM "C1206-40X70" at 439.395,324.866 h1.02; SYMB_DIM "0" at 440.69,315.849 h1.02; SYMB_DIM "0" at 436.88,319.024 h1.02
CT502: PIN_NUMBER "1" at 436.093,287.274 h1.02 r180; PIN_NUMBER "2" at 433.045,287.274 h1.02 r180; Top Overlay "+" at 437.896,286.258 h0.89 r180; ASSEMBLY_TOP "22uF" at 435.864,287.655 h1.02 r180; ASSEMBLY_TOP "X" at 434.975,287.655 h1.02 r180; ASSEMBLY_TOP "X" at 433.959,287.655 h1.02 r180; ASSEMBLY_TOP "+" at 437.896,286.385 h1.02 r180; SYMB_DIM "PAD 40X70OV" at 427.711,292.989 h1.02 r180; SYMB_DIM "SM  48X78" at 429.793,294.894 h1.02 r180; SYMB_DIM "SP  40X70OV" at 427.711,296.799 h1.02 r180; SYMB_DIM "C1206-40X70" at 427.965,282.067 h1.02 r180; SYMB_DIM "0" at 435.61,291.084 h1.02 r180; SYMB_DIM "0" at 439.42,287.909 h1.02 r180
CT504: PIN_NUMBER "1" at 444.729,302.768 h1.02 r270; PIN_NUMBER "2" at 444.729,299.72 h1.02 r270; Top Overlay "+" at 446.151,302.641 h0.89 r270; ASSEMBLY_TOP "22uF" at 444.754,302.133 h1.02 r270; ASSEMBLY_TOP "X" at 444.754,301.244 h1.02 r270; ASSEMBLY_TOP "X" at 444.754,300.228 h1.02 r270; ASSEMBLY_TOP "+" at 446.024,304.165 h1.02 r270; SYMB_DIM "PAD 40X70OV" at 434.95,298.45 h1.02 r270; SYMB_DIM "SM  48X78" at 433.857,299.72 h1.02 r270; SYMB_DIM "SP  40X70OV" at 431.14,298.45 h1.02 r270; SYMB_DIM "C1206-40X70" at 445.872,298.704 h1.02 r270; SYMB_DIM "0" at 441.325,301.879 h1.02 r270; SYMB_DIM "0" at 444.5,305.689 h1.02 r270
CT505: PIN_NUMBER "1" at 444.729,308.356 h1.02 r270; PIN_NUMBER "2" at 444.729,305.308 h1.02 r270; Top Overlay "+" at 446.151,308.991 h0.89 r270; ASSEMBLY_TOP "22uF" at 444.754,307.721 h1.02 r270; ASSEMBLY_TOP "X" at 444.754,306.832 h1.02 r270; ASSEMBLY_TOP "X" at 444.754,305.816 h1.02 r270; ASSEMBLY_TOP "+" at 446.024,309.753 h1.02 r270; SYMB_DIM "PAD 40X70OV" at 434.95,304.038 h1.02 r270; SYMB_DIM "SM  48X78" at 433.857,305.308 h1.02 r270; SYMB_DIM "SP  40X70OV" at 431.14,304.038 h1.02 r270; SYMB_DIM "C1206-40X70" at 445.872,304.292 h1.02 r270; SYMB_DIM "0" at 441.325,307.467 h1.02 r270; SYMB_DIM "0" at 444.5,311.277 h1.02 r270
CT506: PIN_NUMBER "1" at 439.395,308.229 h1.02; PIN_NUMBER "2" at 442.443,308.229 h1.02; Top Overlay "+" at 438.912,309.245 h0.89; ASSEMBLY_TOP "33uF" at 440.436,307.848 h1.02; ASSEMBLY_TOP "X" at 441.325,307.848 h1.02; ASSEMBLY_TOP "X" at 442.341,307.848 h1.02; ASSEMBLY_TOP "+" at 438.404,309.118 h1.02; SYMB_DIM "PAD 40X70OV" at 439.649,302.514 h1.02; SYMB_DIM "SM  48X78" at 439.191,300.609 h1.02; SYMB_DIM "SP  40X70OV" at 439.649,298.704 h1.02; SYMB_DIM "C1206-40X70" at 439.395,313.436 h1.02; SYMB_DIM "0" at 440.69,304.419 h1.02; SYMB_DIM "0" at 436.88,307.594 h1.02
CT507: PIN_NUMBER "1" at 444.729,319.405 h1.02 r90; PIN_NUMBER "2" at 444.729,322.453 h1.02 r90; Top Overlay "+" at 445.262,317.881 h0.89 r90; ASSEMBLY_TOP "22uF" at 445.516,320.04 h1.02 r90; ASSEMBLY_TOP "X" at 445.516,320.929 h1.02 r90; ASSEMBLY_TOP "X" at 445.516,321.945 h1.02 r90; ASSEMBLY_TOP "+" at 444.246,318.008 h1.02 r90; SYMB_DIM "PAD 40X70OV" at 446.38,323.723 h1.02 r90; SYMB_DIM "SM  48X78" at 449.097,322.453 h1.02 r90; SYMB_DIM "SP  40X70OV" at 450.19,323.723 h1.02 r90; SYMB_DIM "C1206-40X70" at 435.458,323.469 h1.02 r90; SYMB_DIM "0" at 448.945,320.294 h1.02 r90; SYMB_DIM "0" at 445.77,316.484 h1.02 r90
D1: PIN_NUMBER "1" at 433.807,353.695 h1.02 r270; PIN_NUMBER "2" at 433.68,361.036 h1.02 r270; SYMB_DIM "SMC-80X128" at 443.357,351.866 h1.02 r270
D21: PIN_NUMBER "1" at 296.52,327.584 h0.89 r180; PIN_NUMBER "3" at 295.554,325.45 h0.89 r180; PIN_NUMBER "2" at 294.589,327.584 h0.89 r180; ASSEMBLY_TOP "MMBD4148" at 296.418,326.39 h1.02 r180; ASSEMBLY_TOP "X" at 295.529,326.39 h1.02 r180; ASSEMBLY_TOP "X" at 294.64,326.39 h1.02 r180; SYMB_DIM "PAD 28X44REC" at 303.022,338.582 h1.02 r180; SYMB_DIM "SM  36X50REC" at 303.022,340.233 h1.02 r180; SYMB_DIM "SP  28X44REC" at 303.022,342.138 h1.02 r180; SYMB_DIM "SOT23-28X44" at 302.006,316.738 h1.02 r180; SYMB_DIM "0" at 296.418,335.534 h1.02 r180; SYMB_DIM "0" at 302.387,327.025 h1.02 r180
D503: PIN_NUMBER "3" at 422.707,277.749 h1.02 r90; PIN_NUMBER "1" at 424.84,276.784 h1.02 r90; PIN_NUMBER "2" at 424.84,278.714 h1.02 r90; ASSEMBLY_TOP "MMBD4148" at 424.053,277.241 h1.02 r90; ASSEMBLY_TOP "X" at 424.053,278.13 h1.02 r90; ASSEMBLY_TOP "X" at 424.053,279.019 h1.02 r90; SYMB_DIM "PAD 28X44REC" at 436.245,270.637 h1.02 r90; SYMB_DIM "SM  36X50REC" at 437.896,270.637 h1.02 r90; SYMB_DIM "SP  28X44REC" at 439.801,270.637 h1.02 r90; SYMB_DIM "SOT23-28X44" at 414.401,271.653 h1.02 r90; SYMB_DIM "0" at 433.197,277.241 h1.02 r90; SYMB_DIM "0" at 424.688,271.272 h1.02 r90
D504: PIN_NUMBER "1" at 429.057,278.714 h1.02 r270; PIN_NUMBER "3" at 431.19,277.749 h1.02 r270; PIN_NUMBER "2" at 429.057,276.784 h1.02 r270; ASSEMBLY_TOP "MMBD4148" at 430.657,278.257 h1.02 r270; ASSEMBLY_TOP "X" at 430.657,277.368 h1.02 r270; ASSEMBLY_TOP "X" at 430.657,276.479 h1.02 r270; SYMB_DIM "PAD 28X44REC" at 418.465,284.861 h1.02 r270; SYMB_DIM "SM  36X50REC" at 416.814,284.861 h1.02 r270; SYMB_DIM "SP  28X44REC" at 414.909,284.861 h1.02 r270; SYMB_DIM "SOT23-28X44" at 440.309,283.845 h1.02 r270; SYMB_DIM "0" at 421.513,278.257 h1.02 r270; SYMB_DIM "0" at 430.022,284.226 h1.02 r270
D505: PIN_NUMBER "1" at 426.745,278.714 h1.02 r90; PIN_NUMBER "3" at 424.612,277.749 h1.02 r90; PIN_NUMBER "2" at 426.745,276.784 h1.02 r90; SYMB_DIM "PAD 28X44REC" at 438.15,284.861 h1.02 r90; SYMB_DIM "SM  36X50REC" at 439.801,284.861 h1.02 r90; SYMB_DIM "SP  28X44REC" at 441.706,284.861 h1.02 r90; SYMB_DIM "SOT23-28X44" at 416.306,283.845 h1.02 r90; SYMB_DIM "0" at 435.102,278.257 h1.02 r90; SYMB_DIM "0" at 426.593,284.226 h1.02 r90; ASSEMBLY_BOTTOM "MMBD4148" at 425.958,278.257 h1.02 r90; ASSEMBLY_BOTTOM "X" at 425.958,277.368 h1.02 r90; ASSEMBLY_BOTTOM "X" at 425.958,276.479 h1.02 r90
D506: PIN_NUMBER "1" at 431.19,278.714 h1.02 r90; PIN_NUMBER "3" at 429.057,277.749 h1.02 r90; PIN_NUMBER "2" at 431.19,276.784 h1.02 r90; SYMB_DIM "PAD 28X44REC" at 442.595,284.861 h1.02 r90; SYMB_DIM "SM  36X50REC" at 444.246,284.861 h1.02 r90; SYMB_DIM "SP  28X44REC" at 446.151,284.861 h1.02 r90; SYMB_DIM "SOT23-28X44" at 420.751,283.845 h1.02 r90; SYMB_DIM "0" at 439.547,278.257 h1.02 r90; SYMB_DIM "0" at 431.038,284.226 h1.02 r90; ASSEMBLY_BOTTOM "MMBD4148" at 430.403,278.257 h1.02 r90; ASSEMBLY_BOTTOM "X" at 430.403,277.368 h1.02 r90; ASSEMBLY_BOTTOM "X" at 430.403,276.479 h1.02 r90
D507: PIN_NUMBER "3" at 436.27,277.749 h1.02 r270; PIN_NUMBER "1" at 434.137,278.714 h1.02 r270; PIN_NUMBER "2" at 434.137,276.784 h1.02 r270; ASSEMBLY_TOP "MMBD4148" at 435.737,278.257 h1.02 r270; ASSEMBLY_TOP "X" at 435.737,277.368 h1.02 r270; ASSEMBLY_TOP "X" at 435.737,276.479 h1.02 r270; SYMB_DIM "PAD 28X44REC" at 423.545,284.861 h1.02 r270; SYMB_DIM "SM  36X50REC" at 421.894,284.861 h1.02 r270; SYMB_DIM "SP  28X44REC" at 419.989,284.861 h1.02 r270; SYMB_DIM "SOT23-28X44" at 445.389,283.845 h1.02 r270; SYMB_DIM "0" at 426.593,278.257 h1.02 r270; SYMB_DIM "0" at 435.102,284.226 h1.02 r270
D508: PIN_NUMBER "2" at 452.907,321.208 h1.02; PIN_NUMBER "1" at 447.904,321.335 h1.02; SYMB_DIM "do214aa-79x110" at 442.265,327.508 h1.02
D509: PIN_NUMBER "1" at 447.904,307.619 h1.02; PIN_NUMBER "2" at 452.907,307.492 h1.02; SYMB_DIM "do214aa-79x110" at 442.265,313.792 h1.02
D520: PIN_NUMBER "1" at 451.714,279.019 h1.02 r180; PIN_NUMBER "2" at 448.666,279.019 h1.02 r180; ASSEMBLY_TOP "6.2V" at 451.485,279.4 h1.02 r180; ASSEMBLY_TOP "X" at 450.596,279.4 h1.02 r180; ASSEMBLY_TOP "X" at 449.58,279.4 h1.02 r180; SYMB_DIM "PAD 40X70OV" at 443.332,284.734 h1.02 r180; SYMB_DIM "SM  48X78" at 445.414,286.639 h1.02 r180; SYMB_DIM "SP  40X70OV" at 443.332,288.544 h1.02 r180; SYMB_DIM "C1206-40X70" at 443.586,273.812 h1.02 r180; SYMB_DIM "0" at 451.231,282.829 h1.02 r180; SYMB_DIM "0" at 455.041,279.654 h1.02 r180
DS1: PIN_NUMBER "1" at 367.894,289.712 h1.02 r90; PIN_NUMBER "2" at 367.894,293.218 h1.02 r90; ASSEMBLY_TOP "LED_GRN" at 369.824,289.941 h1.02 r90; ASSEMBLY_TOP "X" at 369.824,292.227 h1.02 r90; ASSEMBLY_TOP "X" at 369.824,290.703 h1.02 r90
DS2: PIN_NUMBER "1" at 370.434,289.712 h1.02 r90; PIN_NUMBER "2" at 370.434,293.218 h1.02 r90; ASSEMBLY_TOP "LED_GRN" at 372.364,289.941 h1.02 r90; ASSEMBLY_TOP "X" at 372.364,292.227 h1.02 r90; ASSEMBLY_TOP "X" at 372.364,290.703 h1.02 r90
DS3: PIN_NUMBER "1" at 372.974,289.712 h1.02 r90; PIN_NUMBER "2" at 372.974,293.218 h1.02 r90; ASSEMBLY_TOP "LED_GRN" at 374.904,289.941 h1.02 r90; ASSEMBLY_TOP "X" at 374.904,292.227 h1.02 r90; ASSEMBLY_TOP "X" at 374.904,290.703 h1.02 r90
DS4: PIN_NUMBER "1" at 375.514,289.712 h1.02 r90; PIN_NUMBER "2" at 375.514,293.218 h1.02 r90; ASSEMBLY_TOP "LED_GRN" at 377.444,289.941 h1.02 r90; ASSEMBLY_TOP "X" at 377.444,292.227 h1.02 r90; ASSEMBLY_TOP "X" at 377.444,290.703 h1.02 r90
DS5: PIN_NUMBER "2" at 352.019,306.222 h1.02 r270; PIN_NUMBER "1" at 352.019,309.728 h1.02 r270; ASSEMBLY_TOP "Green" at 350.901,309.499 h1.02 r270; ASSEMBLY_TOP "X" at 350.901,307.213 h1.02 r270; ASSEMBLY_TOP "X" at 350.901,308.737 h1.02 r270
DS6: PIN_NUMBER "1" at 374.396,330.2 h1.02; PIN_NUMBER "2" at 377.901,330.2 h1.02; ASSEMBLY_TOP "LED GRN" at 375.031,328.676 h1.02; ASSEMBLY_TOP "X" at 377.317,328.676 h1.02; ASSEMBLY_TOP "X" at 375.793,328.676 h1.02
DS7: PIN_NUMBER "2" at 455.295,347.091 h1.02 r180; PIN_NUMBER "1" at 458.8,347.091 h1.02 r180; ASSEMBLY_TOP "LED GRN" at 458.978,348.615 h1.02 r180; ASSEMBLY_TOP "X" at 456.692,348.615 h1.02 r180; ASSEMBLY_TOP "X" at 458.216,348.615 h1.02 r180
DS8: PIN_NUMBER "1" at 374.396,325.755 h1.02; PIN_NUMBER "2" at 377.901,325.755 h1.02; ASSEMBLY_TOP "LED GRN" at 375.031,324.231 h1.02; ASSEMBLY_TOP "X" at 377.317,324.231 h1.02; ASSEMBLY_TOP "X" at 375.793,324.231 h1.02
DS9: PIN_NUMBER "2" at 377.901,321.31 h1.02; PIN_NUMBER "1" at 374.396,321.31 h1.02; ASSEMBLY_TOP "LED GRN" at 375.031,319.786 h1.02; ASSEMBLY_TOP "X" at 377.317,319.786 h1.02; ASSEMBLY_TOP "X" at 375.793,319.786 h1.02
DS501: PIN_NUMBER "2" at 416.382,287.782 h1.02; PIN_NUMBER "1" at 412.877,287.782 h1.02; ASSEMBLY_TOP "LTST-C150GKT" at 413.512,286.258 h1.02; ASSEMBLY_TOP "X" at 415.798,286.258 h1.02; ASSEMBLY_TOP "X" at 414.274,286.258 h1.02
E1: PIN_NUMBER "1" at 307.34,342.392 h0.25 r180; PIN_NUMBER "3" at 305.105,342.392 h0.25 r180; PIN_NUMBER "2" at 306.222,342.392 h0.25 r180; ASSEMBLY_TOP "TOL" at 307.34,345.44 h0.25 r180; ASSEMBLY_TOP "NFM21PC474R1C3D" at 309.626,345.313 h0.25 r180; ASSEMBLY_TOP "PART#" at 309.372,345.313 h0.25 r180; SYMB_DIM "FILTER" at 309.753,340.995 h0.25 r180
E2: PIN_NUMBER "1" at 319.938,348.767 h0.25 r90; PIN_NUMBER "3" at 319.938,351.003 h0.25 r90; PIN_NUMBER "2" at 319.938,349.885 h0.25 r90; ASSEMBLY_TOP "TOL" at 323.088,348.869 h0.25 r90; ASSEMBLY_TOP "NFM21PC474R1C3D" at 322.961,346.583 h0.25 r90; ASSEMBLY_TOP "PART#" at 322.961,346.837 h0.25 r90; SYMB_DIM "FILTER" at 318.643,346.456 h0.25 r90
E3: PIN_NUMBER "1" at 307.873,345.592 h0.25 r90; PIN_NUMBER "3" at 307.873,347.828 h0.25 r90; PIN_NUMBER "2" at 307.873,346.71 h0.25 r90; ASSEMBLY_TOP "TOL" at 311.023,345.694 h0.25 r90; ASSEMBLY_TOP "NFM21PC474R1C3D" at 310.896,343.408 h0.25 r90; ASSEMBLY_TOP "PART#" at 310.896,343.662 h0.25 r90; SYMB_DIM "FILTER" at 306.578,343.281 h0.25 r90
E4: PIN_NUMBER "1" at 307.873,349.402 h0.25 r90; PIN_NUMBER "3" at 307.873,351.638 h0.25 r90; PIN_NUMBER "2" at 307.873,350.52 h0.25 r90; ASSEMBLY_TOP "TOL" at 311.023,349.504 h0.25 r90; ASSEMBLY_TOP "NFM21PC474R1C3D" at 310.896,347.218 h0.25 r90; ASSEMBLY_TOP "PART#" at 310.896,347.472 h0.25 r90; SYMB_DIM "FILTER" at 306.578,347.091 h0.25 r90
F1: PIN_NUMBER "2" at 440.538,353.543 h1.02 r270; PIN_NUMBER "1" at 440.538,359.943 h1.02 r270; ASSEMBLY_TOP "X" at 442.595,357.124 h0.64 r270; ASSEMBLY_TOP "X" at 442.595,358.394 h0.64 r270; ASSEMBLY_TOP "F_4.0A" at 442.595,357.759 h0.64 r270; SYMB_DIM "0" at 440.626,364.566 h0.76 r270; SYMB_DIM "0" at 435.356,357.124 h0.76 r270; SYMB_DIM "PAD = 167X150REC" at 433.959,362.712 h0.76 r270; SYMB_DIM "FUSE2-167X150" at 451.739,362.712 h0.76 r270
J1: PIN_NUMBER "1" at 266.929,371.475 h1.02; PIN_NUMBER "2" at 266.929,368.935 h1.02; ASSEMBLY_TOP "HEADER 2" at 267.462,374.269 h0.89; ASSEMBLY_TOP "X" at 268.732,374.269 h0.89; ASSEMBLY_TOP "X" at 270.002,374.269 h0.89; SYMB_DIM "PAD 60RD40" at 263.525,349.885 h0.76
J2: PIN_NUMBER "1AB" at 268.656,389.89 h0.38 r270; PIN_NUMBER "1B" at 266.395,379.73 h0.38 r180; PIN_NUMBER "1A" at 271.17,385.445 h0.38 r180; PIN_NUMBER "2AB" at 268.021,389.89 h0.38 r270; PIN_NUMBER "2A" at 268.681,385.445 h0.38 r180; PIN_NUMBER "2B" at 268.935,379.73 h0.38 r180; PIN_NUMBER "3AB" at 267.386,389.89 h0.38 r270; PIN_NUMBER "3A" at 266.649,385.445 h0.38 r180; PIN_NUMBER "3B" at 268.935,382.27 h0.38 r180; PIN_NUMBER "4AB" at 266.751,389.89 h0.38 r270; PIN_NUMBER "7" at 271.765,394.155 h0.38 r180; PIN_NUMBER "8" at 269.019,394.155 h0.38 r180; PIN_NUMBER "5" at 270.914,391.604 h0.38 r180; PIN_NUMBER "6" at 264.721,391.604 h0.38 r180; PIN_NUMBER "3" at 274.371,388.163 h0.38 r180; PIN_NUMBER "4" at 261.264,388.163 h0.38 r180; PIN_NUMBER "1" at 273.787,384.937 h0.38 r180; PIN_NUMBER "2" at 261.849,384.937 h0.38 r180; PIN_NUMBER "5AB" at 266.116,389.89 h0.38 r270; PIN_NUMBER "4B" at 266.395,382.27 h0.38 r180; PIN_NUMBER "4A" at 264.16,385.445 h0.38 r180; PIN_NUMBER "10" at 263.718,394.155 h0.38 r180; PIN_NUMBER "9" at 266.616,394.155 h0.38 r180
J3: PIN_NUMBER "6" at 278.447,388.155 h1.02 r180; PIN_NUMBER "5" at 291.589,388.155 h1.02 r180; PIN_NUMBER "3" at 284.018,385.445 h1.02 r180; PIN_NUMBER "1" at 288.519,385.445 h1.02 r180; PIN_NUMBER "2" at 286.019,385.445 h1.02 r180; PIN_NUMBER "4" at 281.518,385.445 h1.02 r180; ASSEMBLY_TOP "USB-A connector" at 289.202,387.927 h1.02 r180; ASSEMBLY_TOP "TOL" at 288.465,389.933 h1.02 r180; ASSEMBLY_TOP "PART#" at 289.278,389.832 h1.02 r180
J4: PIN_NUMBER "8" at 374.244,302.26 h1.02 r90; PIN_NUMBER "13" at 381.457,299.72 h1.02 r90; PIN_NUMBER "7" at 374.244,299.72 h1.02 r90; PIN_NUMBER "3" at 369.164,299.72 h1.02 r90; PIN_NUMBER "2" at 366.624,302.26 h1.02 r90; PIN_NUMBER "1" at 366.624,299.72 h1.02 r90; PIN_NUMBER "14" at 381.457,302.26 h1.02 r90; PIN_NUMBER "5" at 371.704,299.72 h1.02 r90; PIN_NUMBER "9" at 376.784,299.72 h1.02 r90; PIN_NUMBER "11" at 378.917,299.72 h1.02 r90; PIN_NUMBER "12" at 378.917,302.26 h1.02 r90; PIN_NUMBER "10" at 376.377,302.26 h1.02 r90; PIN_NUMBER "6" at 371.704,302.26 h1.02 r90; PIN_NUMBER "4" at 369.164,302.26 h1.02 r90; ASSEMBLY_TOP "14 Pin Emulation Header" at 360.426,299.847 h0.89 r90; ASSEMBLY_TOP "X" at 360.426,301.117 h0.89 r90; ASSEMBLY_TOP "X" at 360.426,302.387 h0.89 r90; SYMB_DIM "PAD 60RD40" at 386.08,295.91 h0.76 r90; SYMB_DIM "TP-13063" at 358.775,295.275 h0.76 r90